# Altium PCB RK_NVR_DEMO1_RK3588_LP4XD200P232SD8_V21_20211228_final_lint.PcbDoc (part 27 of 29)
Units mm, origin at the board's own origin, x right, y up, seen from the top; angles counter-clockwise.
Board outline 170.08 x 169.98 mm, 8 copper layers (TOP, L2-GND1, L3-POWER1, L4-S1, L5-GND2, L6-S2, L7-GND3, BOTTOM), stack 2.118 mm thick; 1650 components, 1119 nets, 6165 pads, 15417 vias.
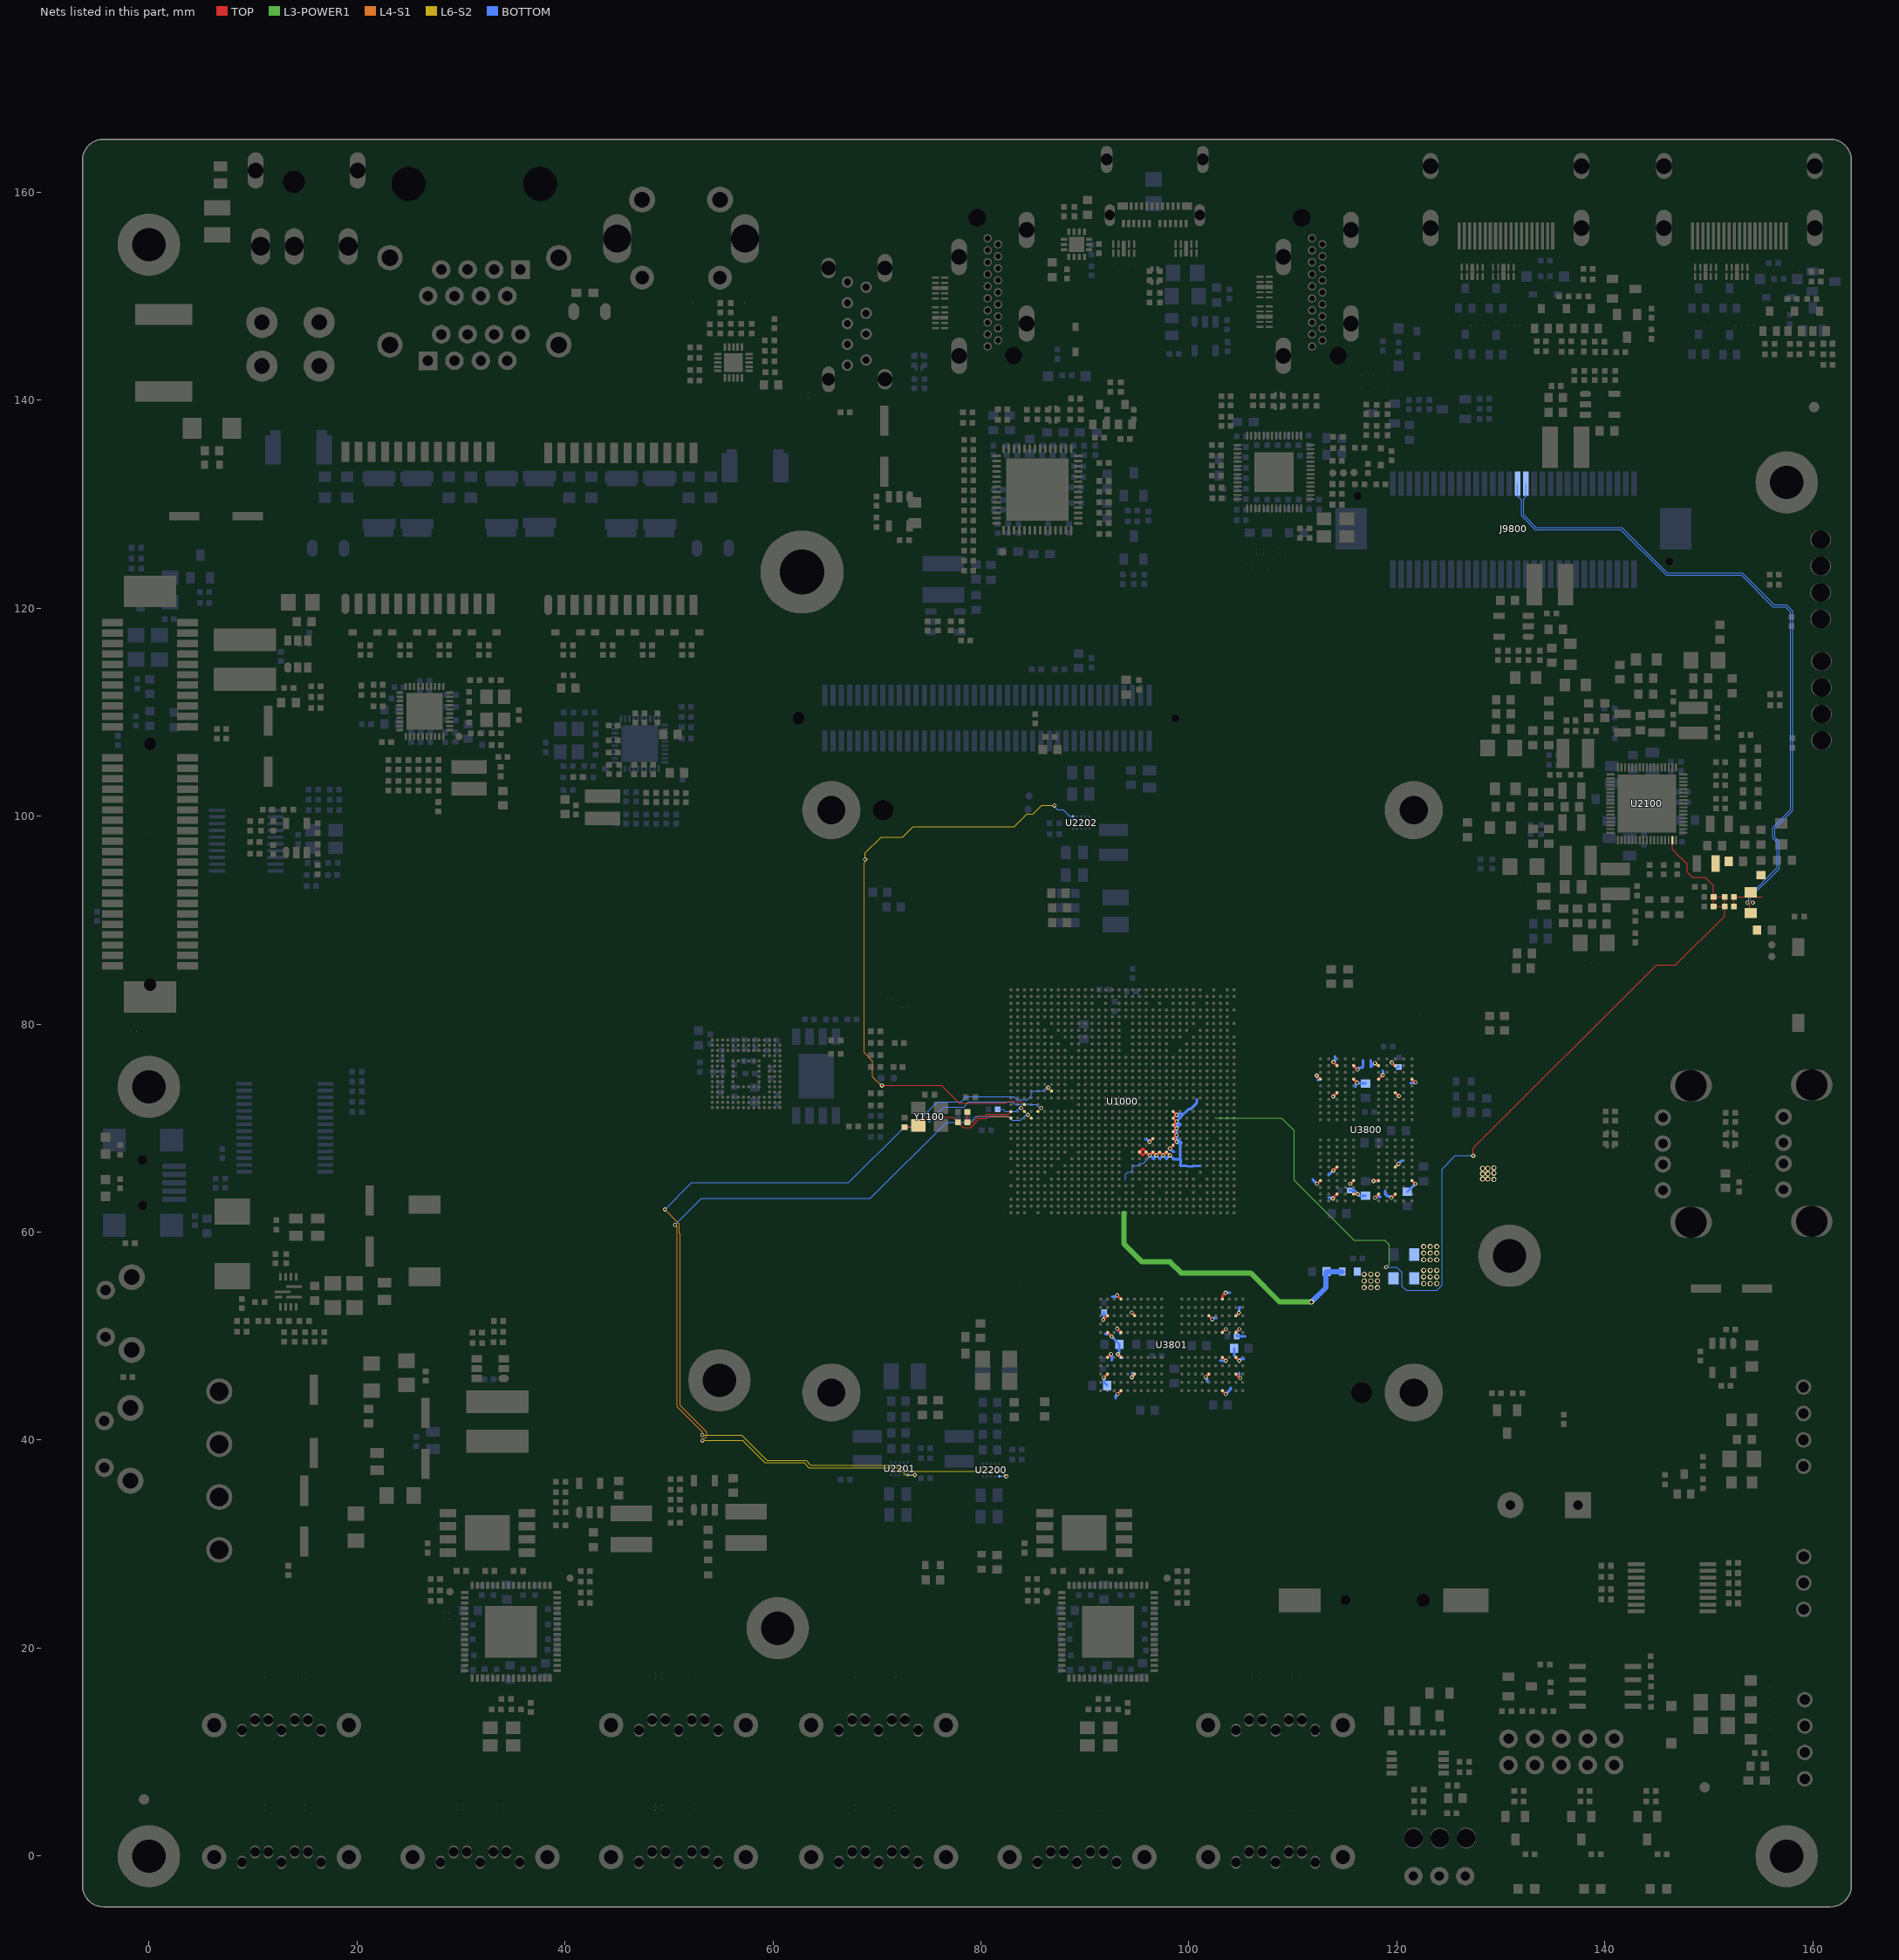
[diagram p33: the nets of this part, all layers, seen from the top]

## Via types
v1: diameter 0.4, hole 0.2, TOP to BOTTOM, 1688 vias
v2: diameter 0.4/0.4 (per signal layer), hole 0.2, TOP to L2-GND1, 1605 vias
v3: diameter 0/0/0/0/0/0/0/0.4 (per signal layer), hole 0.2, TOP to BOTTOM, 1253 vias
v4: diameter 0.4/0/0/0/0/0/0/0 (per signal layer), hole 0.2, TOP to BOTTOM, 1253 vias
v5: diameter 0.5, hole 0.3, TOP to BOTTOM, 857 vias
v6: diameter 0.4/0.4/0.4/0.4/0.4 (per signal layer), hole 0.2, L4-S1 to BOTTOM, 836 vias
v7: diameter 0/0/0/0/0/0/0/0.5 (per signal layer), hole 0.3, TOP to BOTTOM, 772 vias
v8: diameter 0.5/0/0/0/0/0/0/0 (per signal layer), hole 0.3, TOP to BOTTOM, 772 vias
v9: diameter 0.5/0.5 (per signal layer), hole 0.3, TOP to L2-GND1, 766 vias
v10: diameter 0.4/0.4 (per signal layer), hole 0.2, L7-GND3 to BOTTOM, 611 vias
v11: diameter 0.4/0.4/0.4/0.4 (per signal layer), hole 0.2, L5-GND2 to BOTTOM, 579 vias
v12: diameter 0.4 (per signal layer), hole 0.2, L6-S2 to L6-S2, 535 vias
v13: diameter 0.5/0.5/0.5/0.5/0.5 (per signal layer), hole 0.3, L4-S1 to BOTTOM, 457 vias
v14: diameter 0.5/0.5/0.5/0.5 (per signal layer), hole 0.3, L5-GND2 to BOTTOM, 455 vias
v15: diameter 0.4 (per signal layer), hole 0.2, L5-GND2 to L5-GND2, 418 vias
v16: diameter 0.5/0.5/0.5 (per signal layer), hole 0.3, TOP to L3-POWER1, 306 vias
v17: diameter 0.4 (per signal layer), hole 0.2, L4-S1 to L4-S1, 300 vias
v18: diameter 0.4/0.4/0.4 (per signal layer), hole 0.2, TOP to L3-POWER1, 287 vias
v19: diameter 0.5 (per signal layer), hole 0.3, L3-POWER1 to L3-POWER1, 242 vias
v20: diameter 0.5 (per signal layer), hole 0.3, L4-S1 to L4-S1, 240 vias
v21: diameter 0.5/0.5 (per signal layer), hole 0.3, L7-GND3 to BOTTOM, 192 vias
v22: diameter 0.5 (per signal layer), hole 0.3, L6-S2 to L6-S2, 166 vias
v23: diameter 0.4/0.4/0.4/0.4/0.4 (per signal layer), hole 0.2, TOP to L5-GND2, 134 vias
v24: diameter 0.5 (per signal layer), hole 0.3, L5-GND2 to L5-GND2, 114 vias
v25: diameter 0.5/0.5 (per signal layer), hole 0.3, L3-POWER1 to L4-S1, 111 vias
v26: diameter 0.4 (per signal layer), hole 0.2, L3-POWER1 to L3-POWER1, 93 vias
v27: diameter 0.4/0.4 (per signal layer), hole 0.2, L4-S1 to L5-GND2, 59 vias
v28: diameter 0.4/0.4/0/0/0.4/0/0.4/0.4 (per signal layer), hole 0.2, TOP to BOTTOM, 56 vias
v29: diameter 0.4/0/0/0.4/0/0/0/0.4 (per signal layer), hole 0.2, TOP to BOTTOM, 51 vias
v30: diameter 0.5/0.5 (per signal layer), hole 0.3, L4-S1 to L5-GND2, 46 vias
v31: diameter 0.4/0/0/0/0/0.4/0/0.4 (per signal layer), hole 0.2, TOP to BOTTOM, 42 vias
v32: diameter 0.5/0.5/0.5/0.5/0.5 (per signal layer), hole 0.3, TOP to L5-GND2, 32 vias
v33: diameter 0.4/0.4 (per signal layer), hole 0.2, L3-POWER1 to L4-S1, 29 vias
v34: diameter 0.4/0/0.4/0/0/0/0/0.4 (per signal layer), hole 0.2, TOP to BOTTOM, 29 vias
v35: diameter 0.4/0.4/0/0/0.4/0.4/0.4/0.4 (per signal layer), hole 0.2, TOP to BOTTOM, 21 vias
v36: diameter 0.5/0.5/0.5/0/0.5/0.5/0.5/0.5 (per signal layer), hole 0.3, TOP to BOTTOM, 4 vias
v37: diameter 0.5/0.5/0/0.5/0.5/0.5/0.5/0.5 (per signal layer), hole 0.3, TOP to BOTTOM, 3 vias
v38: diameter 0.4/0/0.4/0.4/0/0/0/0.4 (per signal layer), hole 0.2, TOP to BOTTOM, 2 vias
v39: diameter 0.4/0.4/0.4/0/0.4/0/0.4/0.4 (per signal layer), hole 0.2, TOP to BOTTOM, 1 vias

## Nets (pads, with @x,y where several pads share a name; then routed paths per layer and width w, separated by ;. In a path a pad name is that pad's centre, name@x,y a point inside that pad or via, vN(x,y) a via of type N, cw(c..) or ccw(c..) an arc to the next point about the centre after c; other vN are vias at no path point) (continued)
VDDQ_DDR: C1200.1 C1201.1 C1202.1 C1203.1 C1204.1 C1205.1 C1207.1 C1208.1 C1209.1 C1210.1 C1211.1 C1212.1 C2128.1 C2131.2 C2137.1 J2101.1 J9800.29 R1200.1 R1201.2 R1202.1 R1203.2 R1204.2 R2121.1 R2123.2 R2125.1 R3808.2 U1000.K11 U1000.K12 U1000.K13 U1000.K14 U1000.K15 U1000.M10 U1000.N10 U1000.P10 U1000.R10 U1000.T10 U2100.67 | length 189.7
  TOP w0.102: v4(127.347,67.348) 127.347,68.06 144.975,85.687 146.803,85.687 151.509,90.393 R2123.2@151.509,91.301 ; U2100.67@146.488,97.703 146.488,96.789 147.126,96.152 147.151,96.152 147.921,95.382 147.921,94.638 148.439,94.12 149.648,94.12 150.454,93.315 C2137.1@150.454,92.24 ; v4(153.712,91.682) 153.915,91.478 153.915,90.783 R2121.1@154.017,90.682 ; C2137.1@150.454,92.24 C2131.2@151.509,92.24 R2123.2@151.509,91.301 ; C2137.1@150.454,92.24 R2125.1@150.454,91.301 R2123.2@151.509,91.301
  TOP w0.254: U1000.K14@95.891,67.705 v4(96.216,67.381) 96.54,67.705 v4(96.866,67.381) U1000.K12@97.191,67.705 v4(97.516,67.381) U1000.K11@97.841,67.705 v4(98.165,67.381) ; U1000.N10@98.491,69.656 v4(98.815,69.331) U1000.M10@98.491,69.006 v4(98.815,68.681) ; U1000.N10@98.491,69.656 v4(98.815,69.981) U1000.P10@98.491,70.306 v4(98.815,70.631) U1000.R10@98.491,70.956 ; U1000.R10@98.491,70.956 v4(98.815,71.281) U1000.T10@98.491,71.606 ; U1000.K15@95.241,67.705 95.566,68.031 U1000.K14@95.891,67.705 95.565,67.38 U1000.K15@95.241,67.705
  L3-POWER1 w0.089: 102.506,70.955 105.153,70.955
  L3-POWER1 w0.102: 105.153,70.955 108.907,70.955 110.126,69.736 110.126,64.961 115.866,59.22 118.813,59.22 119.27,58.763 119.27,56.934 v4(118.965,56.63)
  BOTTOM w0.089: R1203.2@93.917,64.961 93.917,65.541 94.131,65.756 94.4,65.756 94.591,65.947 94.591,66.215 94.781,66.406 95.061,66.406 95.267,66.612 95.635,66.612 96.216,67.193 v4(96.216,67.381)
  BOTTOM w0.102: v4(118.965,56.63) 119.981,56.63 120.489,56.122 120.489,54.801 120.895,54.394 123.842,54.394 124.35,54.902 124.35,66.078 125.62,67.348 v4(127.347,67.348) ; J9800.29@131.608,131.973 131.608,130.753 131.97,130.391 131.97,128.867 133.291,127.546 141.52,127.546 145.889,123.178 153.103,123.178 156.151,120.13 157.37,120.13 157.878,119.622 157.878,100.622 156.151,98.895 156.151,97.879 156.557,97.473 156.557,95.034 153.814,92.291 153.814,91.783 v4(153.712,91.682)
  BOTTOM w0.203: 99.807,66.36 99.839,66.328 100.423,66.328 100.448,66.353 100.453,66.349 101.079,66.349 101.083,66.353
  BOTTOM w0.254: v4(96.216,67.381) 96.264,67.381 96.635,67.01 96.635,67.15 v4(96.866,67.381) 97.236,67.01 97.244,67.01 97.244,67.109 v4(97.516,67.381) 97.854,67.043 ; 97.854,67.01 97.854,67.043 ; 99.807,66.36 99.223,66.36 99.205,66.377 99.205,67.011 99.169,67.047 ; 100.749,72.733 100.749,72.404 C1200.1@100.236,71.891 100.164,71.819 99.966,71.819 99.507,71.36 ; 97.854,67.043 97.854,67.069 v4(98.165,67.381) 98.489,67.058 98.489,67.01 99.132,67.01 99.169,67.047 ; 98.815,69.056 C1207.1@99.282,68.589 ; 98.815,69.056 v4(98.815,68.681) 98.907,68.589 C1207.1@99.282,68.589 ; 98.815,69.056 v4(98.815,69.331) v4(98.815,69.981) v3@98.815,70.015 ; v3@98.815,70.015 99.182,70.382 99.064,70.382 v4(98.815,70.631) ; v3@98.815,70.015 v4(98.815,70.631) ; v4(98.815,70.631) 99.168,70.984 ; 99.168,70.984 99.113,70.984 v4(98.815,71.281) 98.895,71.36 99.507,71.36 ; 99.168,70.984 99.182,70.984 99.182,71.035 99.507,71.36 ; 99.169,67.047 99.169,67.637 99.182,67.649 99.182,68.489 C1207.1@99.282,68.589
  other v3: 118.965,56.63 127.347,67.348 96.216,67.381 96.866,67.381 97.516,67.381 98.165,67.381 98.815,68.681 98.815,69.331 98.815,69.981 98.815,70.631 98.815,71.281 153.712,91.682
  other v7: 116.857,54.674 117.492,54.674 118.127,54.674 116.857,55.309 117.492,55.309 118.127,55.309 116.857,55.944 117.492,55.944 118.127,55.944 129.328,65.062 128.236,65.109 128.744,65.109 128.236,65.617 128.744,65.617 129.328,65.672 128.236,66.125 128.744,66.125 129.328,66.18
  other v8: 116.857,54.674 117.492,54.674 118.127,54.674 116.857,55.309 117.492,55.309 118.127,55.309 116.857,55.944 117.492,55.944 118.127,55.944 129.328,65.062 128.236,65.109 128.744,65.109 128.236,65.617 128.744,65.617 129.328,65.672 128.236,66.125 128.744,66.125 129.328,66.18
  other v19: 116.857,54.674 117.492,54.674 118.127,54.674 116.857,55.309 117.492,55.309 118.127,55.309 116.857,55.944 117.492,55.944 118.127,55.944
  other v26: 118.965,56.63 96.216,67.381 96.866,67.381 97.516,67.381 98.165,67.381 98.815,68.681 98.815,69.331 98.815,69.981 98.815,70.631 98.815,71.281
VDDQ_DDR_CK: C1206.1 C1213.1 C1232.1 R1204.1 U1000.L10 U1000.M13 | length 30.3
  TOP w0.254: v4(96.215,68.681) U1000.M13@96.541,69.006 ; v4(98.166,68.031) U1000.L10@98.491,68.356
  L3-POWER1 w0.508: 93.768,61.811 93.768,58.865 95.495,57.138 98.188,57.138 99.255,56.071 105.935,56.071 108.729,53.277 v8(111.777,53.277)
  BOTTOM w0.254: C1213.1@95.822,68.926 95.97,68.926 v4(96.215,68.681) ; v4(98.166,68.031) 98.464,67.733 C1206.1@98.594,67.733
  BOTTOM w0.508: v8(111.777,53.277) 113.174,54.674 113.174,56.133 C1232.1@113.239,56.198 R1204.1@114.735,56.198
  other v3: 98.166,68.031 96.215,68.681
  other v7: 111.777,53.277
  other v19: 111.777,53.277
  other v26: 98.166,68.031 96.215,68.681
VDDQ_DDR_P: C2129.1 C2130.1 C2131.1 J2101.2 J9800.27 L2104.1 R2121.2 R2123.1 | length 67.7
  TOP w0.102: R2123.1@152.41,91.301 C2131.1@152.41,92.24 155.112,92.24 ; R2121.2@154.017,92.682 154.017,91.885 v4(154.22,91.682)
  BOTTOM w0.102: J9800.27@132.408,131.973 132.408,130.727 132.173,130.493 132.173,128.951 133.375,127.75 141.622,127.75 145.991,123.381 153.204,123.381 156.252,120.333 157.454,120.333 158.081,119.706 158.081,100.538 156.354,98.811 156.354,97.981 156.76,97.574 156.76,94.933 154.017,92.19 154.017,91.885 v4(154.22,91.682)
  other v3: 154.22,91.682
VDDQ_DRAM: C3824.1 C3825.1 C3826.1 C3827.1 C3828.1 C3829.1 C3830.1 C3831.1 C3832.1 C3833.1 C3834.1 C3835.1 C3836.1 C3837.1 C3838.1 C3839.1 C3840.1 C3841.1 C3842.1 C3869.1 C3870.1 C3871.1 C3872.1 C3873.1 C3874.1 C3875.1 C3876.1 C3877.1 C3878.1 C3879.1 C3880.1 C3881.1 C3882.1 C3883.1 C3884.1 C3885.1 C3886.1 C3887.1 R3808.1 R3809.1 R3810.1 R3811.1 R3818.1 R3819.1 U3800.AA3 U3800.AA5 U3800.AA8 U3800.AA10 U3800.B3 U3800.B5 U3800.B8 U3800.B10 U3800.D1 U3800.D5 U3800.D8 U3800.D12 U3800.F3 U3800.F10 U3800.U3 U3800.U10 U3800.W1 U3800.W5 U3800.W8 U3800.W12 U3801.AA3 U3801.AA5 U3801.AA8 U3801.AA10 U3801.B3 U3801.B5 U3801.B8 U3801.B10 U3801.D1 U3801.D5 U3801.D8 U3801.D12 U3801.F3 U3801.F10 U3801.U3 U3801.U10 U3801.W1 U3801.W5 U3801.W8 U3801.W12 | length 34.4
  TOP w0.254: v4(94.505,46.038) 94.771,46.304 U3801.U10@94.771,46.356 ; v4(113.879,73.045) U3800.F3@114.241,73.407 ; v4(113.896,76.351) U3800.B3@114.241,76.006 ; U3800.AA5@115.841,63.656 v4(116.247,63.656) ; U3800.D5@115.841,74.706 v4(116.166,74.382) ; v4(117.883,63.299) U3800.AA8@118.241,63.656 ; v4(117.903,76.243) 117.928,76.243 118.164,76.006 U3800.B8@118.241,76.006 ; U3800.D8@118.241,74.706 v4(118.632,75.098) ; v4(119.493,63.308) U3800.AA10@119.841,63.656 ; v4(119.516,76.306) 119.516,76.281 119.79,76.006 U3800.B10@119.841,76.006 ; U3800.D12@121.441,74.706 121.748,74.399 v4(121.799,74.399)
  BOTTOM w0.254: v34(91.763,51.573) 91.838,51.648 C3872.1@91.838,52.319 ; v34(91.821,46.005) 91.846,45.98 91.846,45.535 C3870.1@92.131,45.25 ; C3886.1@91.965,50.233 91.99,50.208 92.319,50.208 v34(92.576,49.951) 93.3,49.227 C3871.1@93.3,49.213 93.3,48.389 v34(93.169,48.258) 93.488,47.939 C3885.1@93.616,47.939 ; v34(92.506,48.29) 92.6,48.197 C3877.1@92.6,47.685 ; C3876.1@92.625,53.781 92.625,53.806 93.002,53.806 v34(93.112,53.916) ; C3881.1@92.973,44.028 92.973,44.258 v34(93.146,44.431) ; v34(93.099,50.728) 93.099,50.715 93.366,50.449 C3874.1@93.366,50.229 ; v4(94.505,46.038) 94.577,46.11 94.577,46.445 C3879.1@94.552,46.47 ; v34(101.61,46.045) 101.765,45.889 C3875.1@101.765,45.631 ; v34(102.252,51.625) 102.379,51.753 C3878.1@102.662,51.753 ; C3880.1@103.014,47.693 103.014,47.668 103.05,47.631 v34(103.546,47.631) ; v34(103.522,54.166) 103.543,54.187 103.928,54.187 C3884.1@103.928,54.162 ; v34(103.546,44.431) 104.03,44.915 C3883.1@104.03,45.026 ; C3869.1@104.346,48.832 104.346,48.131 v34(104.846,47.631) 105.031,47.816 R3819.1@105.304,47.816 ; v34(104.813,52.248) 104.813,52.684 104.898,52.769 C3887.1@104.923,52.769 ; C3882.1@104.827,46.438 104.827,46.075 v34(104.922,45.98) ; v34(104.847,50.681) 104.607,50.441 C3873.1@104.607,49.975 R3818.1@105.431,49.975 ; C3840.1@111.9,65.088 111.9,65.047 v34(112.316,64.632) ; v34(112.29,75.057) 112.416,74.932 C3832.1@112.416,74.613 ; C3839.1@113.424,65.469 113.428,65.469 v34(113.885,65.926) ; C3837.1@113.428,63.306 113.762,63.306 v34(113.839,63.229) ; v4(113.896,76.351) 114.063,76.517 C3829.1@114.063,76.903 ; C3828.1@115.449,64.025 115.879,64.025 v4(116.247,63.656) 116.405,63.499 C3826.1@116.984,63.499 ; C3842.1@116.019,73.949 116.019,74.235 v4(116.166,74.382) 116.25,74.297 C3824.1@116.984,74.297 ; v34(116.22,75.627) 116.425,75.832 116.683,75.832 C3838.1@116.73,75.879 R3809.1@116.73,76.522 ; C3841.1@117.492,75.879 117.492,75.904 ; R3810.1@117.492,76.522 117.492,75.904 ; v34(117.746,64.906) 117.768,64.928 C3836.1@118.257,64.928 ; v4(117.883,63.299) 117.988,63.404 C3833.1@118.402,63.404 ; v4(117.903,76.243) 117.852,76.243 117.513,75.904 117.492,75.904 ; C3835.1@118.631,75.502 118.656,75.477 118.656,75.122 v4(118.632,75.098) ; C3831.1@118.889,63.999 118.889,63.615 119.067,63.437 119.364,63.437 v4(119.493,63.308) ; v4(119.516,76.306) 119.516,76.281 119.907,75.89 C3827.1@120.184,75.89 ; v34(120.139,66.555) 120.454,66.87 C3834.1@120.517,66.87 ; C3825.1@121.001,63.886 121.02,63.886 v34(121.766,64.632) ; C3830.1@121.298,74.359 121.758,74.359 v4(121.799,74.399)
  other v3: 94.505,46.038 117.883,63.299 119.493,63.308 116.247,63.656 113.879,73.045 116.166,74.382 121.799,74.399 118.632,75.098 117.903,76.243 119.516,76.306 113.896,76.351
  other v7: 122.572,55.055 123.207,55.055 123.842,55.055 122.572,55.69 123.207,55.69 123.842,55.69 122.572,56.325 123.207,56.325 123.842,56.325 122.572,57.341 123.207,57.341 123.842,57.341 122.572,57.976 123.207,57.976 123.842,57.976 122.572,58.611 123.207,58.611 123.842,58.611
  other v8: 122.572,55.055 123.207,55.055 123.842,55.055 122.572,55.69 123.207,55.69 123.842,55.69 122.572,56.325 123.207,56.325 123.842,56.325 122.572,57.341 123.207,57.341 123.842,57.341 122.572,57.976 123.207,57.976 123.842,57.976 122.572,58.611 123.207,58.611 123.842,58.611
  other v19: 122.572,55.055 123.207,55.055 123.842,55.055 122.572,55.69 123.207,55.69 123.842,55.69 122.572,56.325 123.207,56.325 123.842,56.325 122.572,57.341 123.207,57.341 123.842,57.341 122.572,57.976 123.207,57.976 123.842,57.976 122.572,58.611 123.207,58.611 123.842,58.611
  other v26: 94.505,46.038 117.883,63.299 119.493,63.308 116.247,63.656 113.879,73.045 116.166,74.382 121.799,74.399 118.632,75.098 117.903,76.243 119.516,76.306 113.896,76.351
  other v34: 103.546,50.681 94.486,52.267 115.516,64.632 120.184,73.088
VSEL2: U1000.R31 U2200.A1 | length 92
  TOP w0.102: v4(84.516,71.281) U1000.R31@84.841,70.956
  L4-S1 w0.102: v4(50.588,60.694) 50.791,60.49 50.791,43.218 53.23,40.78 v4(53.23,40.475)
  L6-S2 w0.102: v4(53.23,40.475) 56.989,40.475 59.427,38.037 63.187,38.037 63.618,37.605 72.204,37.605 72.788,37.021 81.932,37.021 v4(82.44,36.513)
  BOTTOM w0.089: 82.09,71.158 82.592,71.158 83.011,70.739 83.783,70.739 84.325,71.281 v4(84.516,71.281)
  BOTTOM w0.102: v4(50.588,60.694) 53.128,63.234 69.384,63.234 76.699,70.549 78.96,70.549 79.57,71.158 82.09,71.158 ; U2200.A1@81.773,36.522 82.43,36.522 v4(82.44,36.513)
  other v3: 82.44,36.513 53.23,40.475 50.588,60.694 84.516,71.281
  other v12: 82.44,36.513 53.23,40.475
  other v17: 53.23,40.475 50.588,60.694
VSEL3: U1000.U32 U2202.A1 | length 60.1
  TOP w0.089: 82.09,72.399 82.41,72.399 82.592,72.581 83.865,72.581 U1000.U32@84.191,72.256
  TOP w0.102: v4(70.482,74.105) 76.217,74.105 77.923,72.399 82.09,72.399
  L4-S1 w0.102: v4(68.876,95.847) 68.876,95.593 68.775,95.492 68.775,77.254 69.587,76.442 69.587,74.918 70.4,74.105 v4(70.482,74.105)
  L6-S2 w0.102: v4(68.876,95.847) 68.876,96.457 70.4,97.981 72.483,97.981 73.499,98.997 83.202,98.997 84.421,100.216 85.031,100.216 85.843,101.029 v4(87.063,101.029)
  BOTTOM w0.102: v4(87.063,101.029) 87.063,100.927 87.367,100.622 87.901,100.622 88.545,99.978 U2202.A1@88.847,99.978
  other v3: 70.482,74.105 68.876,95.847 87.063,101.029
  other v12: 68.876,95.847 87.063,101.029
  other v17: 70.482,74.105 68.876,95.847
VSEL4: R1109.1 U1000.T32 | length 2.9
  TOP w0.102: v4(83.864,71.932) U1000.T32@84.191,71.606
  BOTTOM w0.089: 82.09,71.819 82.1,71.819 82.313,71.606 83.35,71.606 83.436,71.692 83.456,71.692 83.696,71.932 v4(83.864,71.932)
  BOTTOM w0.102: R1109.1@81.62,71.819 82.09,71.819
  other v3: 83.864,71.932
VSEL5: R1113.1 U1000.T30 | length 12.3
  TOP w0.102: U1000.T30@85.491,71.606 v4(85.817,71.932)
  BOTTOM w0.089: 82.09,72.505 83.024,72.505 83.202,72.327 84.581,72.327 84.651,72.256 85.299,72.256 85.623,71.932 v4(85.817,71.932)
  BOTTOM w0.102: R1113.1@75.011,70.613 76.42,72.022 78.325,72.022 78.808,72.505 82.09,72.505
  other v3: 85.817,71.932
VSEL6: U1000.W28 U2201.A1 | length 89.1
  TOP w0.102: v4(86.466,73.881) U1000.W28@86.791,73.556
  L4-S1 w0.102: v4(49.61,62.179) 50.995,60.795 50.995,59.881 51.096,59.779 51.096,43.32 53.636,40.78 53.636,40.374 v4(53.23,39.967)
  L6-S2 w0.102: v4(53.23,39.967) 57.091,39.967 59.224,37.834 62.983,37.834 63.466,37.351 72.077,37.351 72.788,36.64 v4(73.651,36.64)
  BOTTOM w0.089: 82.09,73.013 83.159,73.013 83.456,72.716 84.46,72.716 84.84,73.096 84.84,73.203 ; 84.841,73.204 84.841,73.365 85.031,73.555 85.954,73.555 86.28,73.881 v4(86.466,73.881)
  BOTTOM w0.102: v4(49.61,62.179) 52.188,64.758 67.285,64.758 72.67,70.142 73.448,70.142 75.836,72.53 78.071,72.53 78.554,73.013 82.09,73.013 ; U2201.A1@72.984,36.649 73.642,36.649 v4(73.651,36.64)
  other v3: 73.651,36.64 53.23,39.967 49.61,62.179 86.466,73.881
  other v12: 73.651,36.64 53.23,39.967
  other v17: 53.23,39.967 49.61,62.179
XIN24M: C1102.1 R1101.2 U1000.R34 Y1100.3 | length 11.6
  TOP w0.089: 82.09,71.155 82.692,71.155 U1000.R34@82.891,70.956
  TOP w0.102: C1102.1@72.661,70.099 73.815,70.099 Y1100.3@73.974,70.258 74.773,71.057 77.291,71.057 R1101.2@77.799,70.549 78.307,70.041 79.011,70.041 79.9,70.93 80.564,70.93 80.789,71.155 82.09,71.155
XOUT24M: R1100.2 R1101.1 U1000.T34 | length 5.6
  TOP w0.089: 82.09,71.358 82.643,71.358 U1000.T34@82.891,71.606
  TOP w0.102: R1100.2@78.699,71.565 R1101.1@78.699,70.549 79.214,70.549 79.849,71.184 80.408,71.184 80.582,71.358 82.09,71.358
pads on no net: J2000. J2201. J5000.14 J5001.14 J5100. J5100.13 J5100.14 J5500. J5500.14 J6700. J7000. J8400. J8400.A5 J8400.A6 J8400.A7 J8400.A8 J8400.A19 J8400.A32 J8400.B5 J8400.B6 J8400.B9 J8400.B30 J9001.1 J9001.2 J9001.3 J9001.4 J9100. J9100.4 J9800. J9800.56 J9800.58 J9800.60 J9901. M9900.1 M9901.1 M9902.1 M9903.1 M9904.1 M9905.1 U1000.AA27 U1000.AB30 U1000.AB31 U1000.AC30 U1000.AD4 U1000.AE4 U1000.AE5 U1000.AE8 U1000.AE30 U1000.AF3 U1000.AF5 U1000.AF6 U1000.AF18 U1000.AF19 U1000.AF20 U1000.AF33 U1000.AG1 U1000.AG2 U1000.AG4 U1000.AG5 U1000.AG20 U1000.AG23 U1000.AG24 U1000.AG25 U1000.AH5 U1000.AH6 U1000.AH20 U1000.AH24 U1000.AJ4 U1000.AJ5 U1000.AJ20 U1000.AK8 U1000.AK16 U1000.AK17 U1000.AK18 U1000.AK19 U1000.AK20 U1000.AK21 U1000.AK22 U1000.AL8 U1000.AL14 U1000.AL17 U1000.AL18 U1000.AL19 U1000.AL20 U1000.AL21 U1000.AL22 U1000.AM17 U1000.AN2 U1000.AN17 U1000.AN24 U1000.AN25 U1000.AN26 U1000.AN27 U1000.AN28 U1000.AN29 U1000.AN30 U1000.AN32 U1000.AN33 U1000.AN34 U1000.AP2 U1000.AP24 U1000.AP25 U1000.AP26 U1000.AP27 U1000.AP28 U1000.AP29 U1000.AP30 U1000.AP31 U1000.AP32 U1000.AP33 U1000.C19 U1000.D7 U1000.D10 U1000.D14 U1000.D17 U1000.E7 U1000.E10 U1000.E17 U1000.F26 U1000.F27 U1000.F28 U1000.G9 U1000.G18 U1000.G26 U1000.G30 U1000.G31 U1000.H4 U1000.H5 U1000.H9 U1000.H18 U1000.H32 U1000.H33 U1000.K4 U1000.K5 U1000.K7 U1000.L30 U1000.L32 U1000.L33 U1000.M7 U1000.P31 U1000.P33 U1000.T5 U1000.V6 U1000.V7 U1000.W4 U1000.W5 U2000.4 U2100.2 U2100.3 U2100.4 U2100.38 U2100.47 U2100.48 U2203.7 U3800.A1 U3800.A2 U3800.A11 U3800.A12 U3800.AA1 U3800.AA12 U3800.AB1 U3800.AB2 U3800.AB11 U3800.AB12 U3800.B1 U3800.B12 U3800.G11 U3800.K5 U3800.K8 U3800.N5 U3800.N8 U3801.A1 U3801.A2 U3801.A11 U3801.A12 U3801.AA1 U3801.AA12 U3801.AB1 U3801.AB2 U3801.AB11 U3801.AB12 U3801.B1 U3801.B12 U3801.G11 U3801.K5 U3801.K8 U3801.N5 U3801.N8 U4000.A2 U4000.A7 U4000.A8 U4000.A9 U4000.A10 U4000.A11 U4000.A12 U4000.A13 U4000.A14 U4000.B1 U4000.B7 U4000.B8 U4000.B9 U4000.B10 U4000.B11 U4000.B12 U4000.B13 U4000.B14 U4000.C1 U4000.C3 U4000.C7 U4000.C8 U4000.C9 U4000.C10 U4000.C11 U4000.C12 U4000.C13 U4000.C14 U4000.D1 U4000.D2 U4000.D3 U4000.D4 U4000.D12 U4000.D13 U4000.D14 U4000.E1 U4000.E2 U4000.E3 U4000.E5 U4000.E8 U4000.E9 U4000.E10 U4000.E12 U4000.E13 U4000.E14 U4000.F1 U4000.F2 U4000.F3 U4000.F10 U4000.F12 U4000.F13 U4000.F14 U4000.G1 U4000.G2 U4000.G3 U4000.G10 U4000.G12 U4000.G13 U4000.G14 U4000.H1 U4000.H2 U4000.H3 U4000.H12 U4000.H13 U4000.H14 U4000.J1 U4000.J2 U4000.J3 U4000.J12 U4000.J13 U4000.J14 U4000.K1 U4000.K2 U4000.K3 U4000.K6 U4000.K7 U4000.K10 U4000.K12 U4000.K13 U4000.K14 U4000.L1 U4000.L2 U4000.L3 U4000.L12 U4000.L13 U4000.L14 U4000.M1 U4000.M2 U4000.M3 U4000.M7 U4000.M8 U4000.M9 U4000.M10 U4000.M11 U4000.M12 U4000.M13 U4000.M14 U4000.N1 U4000.N3 U4000.N6 U4000.N7 U4000.N8 U4000.N9 U4000.N10 U4000.N11 U4000.N12 U4000.N13 U4000.N14 U4000.P1 U4000.P2 U4000.P7 U4000.P8 U4000.P9 U4000.P10 U4000.P11 U4000.P12 U4000.P13 U4000.P14 U4700. U4700.41 U4700.42 U4700.53 U4700.54 U4700.60 U4700.63 U4700.64 U4700.67 U4700.68 U4700.69 U4700.70 U4700.71 U4700.72 U4700.73 U4700.74 U5100.1 U5100.16 U7000.13 U8200.1 U8200.2 U8200.3 U8200.7 U8200.8 U8200.9 U8200.64 U8300.1 U8300.2 U8300.3 U8300.7 U8300.8 U8300.9 U8300.64 U8400.17 U8400.18 U9100.2 U9100.3 U9100.6 U9100.8 U9100.9 U9100.10 U9100.11 U9100.12 U9100.13 U9100.14 U9100.19 U9100.22 U9100.23 U9100.24 U9100.27 U9100.28 U9501.7 U9501.8 U9501.9 U9501.10 U9900.3

## Text inside footprints (layer, text, board x,y; h text height)
C2155: PIN_NUMBER "2" at 144.2,94.406 h0.25 r270; PIN_NUMBER "1" at 144.2,95.307 h0.25 r270; ASSEMBLY_TOP "1uF" at 144.124,94.857 h0.25 r90
C2156: PIN_NUMBER "2" at 143.654,98.177 h0.25 r90; PIN_NUMBER "1" at 143.654,97.277 h0.25 r90; ASSEMBLY_TOP "1uF" at 143.578,97.727 h0.25 r270
C2157: PIN_NUMBER "2" at 143.006,93.275 h0.25 r90; PIN_NUMBER "1" at 143.006,92.374 h0.25 r90; ASSEMBLY_TOP "1uF" at 142.929,92.825 h0.25 r90
C2158: PIN_NUMBER "2" at 147.235,104.338 h0.25 r270; PIN_NUMBER "1" at 147.235,105.238 h0.25 r270; ASSEMBLY_TOP "1uF" at 147.159,104.788 h0.25 r270
C2159: PIN_NUMBER "2" at 144.162,94.381 h0.25 r270; PIN_NUMBER "1" at 144.162,95.281 h0.25 r270; ASSEMBLY_TOP "1uF" at 144.086,94.831 h0.25 r270
C2160: PIN_NUMBER "2" at 145.534,94.406 h0.25 r270; PIN_NUMBER "1" at 145.534,95.307 h0.25 r270; ASSEMBLY_TOP "1uF" at 145.458,94.857 h0.25 r90
C2161: PIN_NUMBER "2" at 147.311,98.431 h0.25 r90; PIN_NUMBER "1" at 147.311,97.531 h0.25 r90; ASSEMBLY_TOP "1uF" at 147.235,97.981 h0.25 r270
C2162: PIN_NUMBER "2" at 146.27,104.312 h0.25 r270; PIN_NUMBER "1" at 146.27,105.213 h0.25 r270; ASSEMBLY_TOP "1uF" at 146.194,104.763 h0.25 r270
C2163: PIN_NUMBER "2" at 146.842,94.406 h0.25 r270; PIN_NUMBER "1" at 146.842,95.307 h0.25 r270; ASSEMBLY_TOP "1uF" at 146.766,94.857 h0.25 r90
C2164: PIN_NUMBER "2" at 151.483,105.194 h0.25; PIN_NUMBER "1" at 150.582,105.194 h0.25; ASSEMBLY_TOP "2.2uF" at 150.626,105.067 h0.25
C2165: PIN_NUMBER "2" at 138.149,108.192 h0.25 r180; PIN_NUMBER "1" at 139.049,108.192 h0.25 r180; ASSEMBLY_TOP "1nF" at 138.396,108.065 h0.25
C2166: PIN_NUMBER "2" at 136.625,103.977 h0.25 r180; PIN_NUMBER "1" at 137.525,103.977 h0.25 r180; ASSEMBLY_TOP "10nF" at 136.77,103.85 h0.25
C2167: PIN_NUMBER "2" at 147.014,102.35 h0.25 r180; PIN_NUMBER "1" at 147.914,102.35 h0.25 r180; ASSEMBLY_TOP "1uF" at 147.261,102.223 h0.25 r180
C2168: PIN_NUMBER "2" at 151.483,103.874 h0.25; PIN_NUMBER "1" at 150.582,103.874 h0.25; ASSEMBLY_TOP "2.2uF" at 150.626,103.747 h0.25
C2169: PIN_NUMBER "2" at 151.483,102.959 h0.25; PIN_NUMBER "1" at 150.582,102.959 h0.25; ASSEMBLY_TOP "2.2uF" at 150.626,102.832 h0.25
C2170: PIN_NUMBER "2" at 151.483,101.664 h0.25; PIN_NUMBER "1" at 150.582,101.664 h0.25; ASSEMBLY_TOP "2.2uF" at 150.626,101.537 h0.25
C2171: PIN_NUMBER "2" at 147.014,101.334 h0.25 r180; PIN_NUMBER "1" at 147.914,101.334 h0.25 r180; ASSEMBLY_TOP "1uF" at 147.261,101.207 h0.25 r180
C2172: PIN_NUMBER "2" at 151.483,100.749 h0.25; PIN_NUMBER "1" at 150.582,100.749 h0.25; ASSEMBLY_TOP "2.2uF" at 150.626,100.622 h0.25
C2173: PIN_NUMBER "2" at 150.969,118.391 h0.25 r90; PIN_NUMBER "1" at 150.969,116.991 h0.25 r90; ASSEMBLY_TOP "22uF" at 150.791,117.691 h0.25 r90
C2200: PIN_NUMBER "2" at 81.518,34.693 h0.25; PIN_NUMBER "1" at 79.868,34.693 h0.25; ASSEMBLY_TOP "22uF" at 80.388,34.566 h0.25 r180
C2201: PIN_NUMBER "2" at 81.526,32.659 h0.25; PIN_NUMBER "1" at 79.876,32.659 h0.25; ASSEMBLY_TOP "22uF" at 80.396,32.532 h0.25 r180
C2202: PIN_NUMBER "2" at 72.73,34.82 h0.25; PIN_NUMBER "1" at 71.08,34.82 h0.25; ASSEMBLY_TOP "22uF" at 71.6,34.693 h0.25 r180
C2203: PIN_NUMBER "2" at 72.737,32.786 h0.25; PIN_NUMBER "1" at 71.087,32.786 h0.25; ASSEMBLY_TOP "22uF" at 71.607,32.659 h0.25 r180
C2204: PIN_NUMBER "2" at 82.919,38.128 h0.25 r180; PIN_NUMBER "1" at 83.819,38.128 h0.25 r180; ASSEMBLY_TOP "1uF" at 83.165,38 h0.25 r180
C2205: PIN_NUMBER "2" at 81.469,39.049 h0.25; PIN_NUMBER "1" at 80.069,39.049 h0.25; ASSEMBLY_TOP "22uF" at 80.465,38.922 h0.25 r180
C2206: PIN_NUMBER "2" at 81.469,42.097 h0.25; PIN_NUMBER "1" at 80.069,42.097 h0.25; ASSEMBLY_TOP "22uF" at 80.465,41.97 h0.25 r180
C2207: PIN_NUMBER "2" at 81.469,43.621 h0.25; PIN_NUMBER "1" at 80.069,43.621 h0.25; ASSEMBLY_TOP "22uF" at 80.465,43.494 h0.25 r180
C2208: PIN_NUMBER "2" at 81.469,40.573 h0.25; PIN_NUMBER "1" at 80.069,40.573 h0.25; ASSEMBLY_TOP "22uF" at 80.465,40.446 h0.25 r180
C2209: PIN_NUMBER "2" at 83.078,42.268 h0.25 r270; PIN_NUMBER "1" at 83.078,43.668 h0.25 r270; ASSEMBLY_TOP "22uF" at 82.901,42.968 h0.25 r270
C2210: PIN_NUMBER "2" at 74.13,38.255 h0.25 r180; PIN_NUMBER "1" at 75.03,38.255 h0.25 r180; ASSEMBLY_TOP "1uF" at 74.377,38.127 h0.25 r180
C2211: PIN_NUMBER "2" at 72.681,39.176 h0.25; PIN_NUMBER "1" at 71.281,39.176 h0.25; ASSEMBLY_TOP "22uF" at 71.676,39.049 h0.25 r180
C2212: PIN_NUMBER "2" at 72.681,42.224 h0.25; PIN_NUMBER "1" at 71.281,42.224 h0.25; ASSEMBLY_TOP "22uF" at 71.676,42.097 h0.25 r180
C2213: PIN_NUMBER "2" at 72.681,43.748 h0.25; PIN_NUMBER "1" at 71.281,43.748 h0.25; ASSEMBLY_TOP "22uF" at 71.676,43.621 h0.25 r180
C2214: PIN_NUMBER "2" at 72.681,40.7 h0.25; PIN_NUMBER "1" at 71.281,40.7 h0.25; ASSEMBLY_TOP "22uF" at 71.676,40.573 h0.25 r180
C2215: PIN_NUMBER "2" at 74.29,42.395 h0.25 r270; PIN_NUMBER "1" at 74.29,43.795 h0.25 r270; ASSEMBLY_TOP "22uF" at 74.112,43.095 h0.25 r270
C2218: PIN_NUMBER "2" at 88.676,104.178 h0.25 r180; PIN_NUMBER "1" at 90.326,104.178 h0.25 r180; ASSEMBLY_TOP "22uF" at 89.196,104.051 h0.25 r180
C2219: PIN_NUMBER "2" at 88.676,102.146 h0.25 r180; PIN_NUMBER "1" at 90.326,102.146 h0.25 r180; ASSEMBLY_TOP "22uF" at 89.196,102.019 h0.25 r180
C2220: PIN_NUMBER "2" at 86.511,99.302 h0.25 r180; PIN_NUMBER "1" at 87.411,99.302 h0.25 r180; ASSEMBLY_TOP "1uF" at 86.758,99.175 h0.25 r180
C2221: PIN_NUMBER "2" at 88.066,94.349 h0.25 r180; PIN_NUMBER "1" at 89.716,94.349 h0.25 r180; ASSEMBLY_TOP "47uF" at 88.587,94.222 h0.25 r180
C2222: PIN_NUMBER "2" at 88.066,96.508 h0.25 r180; PIN_NUMBER "1" at 89.716,96.508 h0.25 r180; ASSEMBLY_TOP "47uF" at 88.587,96.381 h0.25 r180
C2223: PIN_NUMBER "2" at 87.582,92.571 h0.25 r180; PIN_NUMBER "1" at 88.982,92.571 h0.25 r180; ASSEMBLY_TOP "22uF" at 87.977,92.444 h0.25 r180
C2224: PIN_NUMBER "2" at 87.582,91.174 h0.25 r180; PIN_NUMBER "1" at 88.982,91.174 h0.25 r180; ASSEMBLY_TOP "22uF" at 87.977,91.047 h0.25 r180
C2225: PIN_NUMBER "2" at 87.582,89.751 h0.25 r180; PIN_NUMBER "1" at 88.982,89.751 h0.25 r180; ASSEMBLY_TOP "22uF" at 87.977,89.624 h0.25 r180
C2227: PIN_NUMBER "2" at 119.358,11.87 h0.25 r180; PIN_NUMBER "1" at 120.258,11.87 h0.25 r180; ASSEMBLY_TOP "12pF" at 119.503,11.743 h0.25
C2228: PIN_NUMBER "2" at 123.387,11.87 h0.25 r180; PIN_NUMBER "1" at 124.287,11.87 h0.25 r180; ASSEMBLY_TOP "100nF" at 123.431,11.743 h0.25
C2229: PIN_NUMBER "2" at 122.274,11.87 h0.25; PIN_NUMBER "1" at 121.374,11.87 h0.25; ASSEMBLY_TOP "DNP" at 121.621,11.743 h0.25
C2230: PIN_NUMBER "2" at 79.849,51.234 h0.25 r90; PIN_NUMBER "1" at 79.849,49.834 h0.25 r90; ASSEMBLY_TOP "22uF" at 79.671,50.534 h0.25 r90
C2501: PIN_NUMBER "1" at 98.391,152.341 h0.64; PIN_NUMBER "2" at 98.391,152.841 h0.64 r180; ASSEMBLY_TOP "100nF" at 98.264,152.591 h0.25 r90
C2502: PIN_NUMBER "1" at 99.026,152.342 h0.64; PIN_NUMBER "2" at 99.026,152.842 h0.64 r180; ASSEMBLY_TOP "100nF" at 98.899,152.592 h0.25 r90
C2503: PIN_NUMBER "2" at 98.017,144.437 h0.25 r180; PIN_NUMBER "1" at 98.917,144.437 h0.25 r180; ASSEMBLY_TOP "1uF" at 98.264,144.31 h0.25 r180
C2504: PIN_NUMBER "2" at 98.615,151.981 h0.25 r180; PIN_NUMBER "1" at 101.155,151.981 h0.25 r180; ASSEMBLY_TOP "22uF" at 99.224,152.108 h0.25 r180
C2505: PIN_NUMBER "2" at 102.557,149.402 h0.25 r270; PIN_NUMBER "1" at 102.557,150.802 h0.25 r270; ASSEMBLY_TOP "100nF" at 102.277,150.102 h0.25 r270
C2506: PIN_NUMBER "2" at 72.084,126.53 h0.25 r180; PIN_NUMBER "1" at 72.984,126.53 h0.25 r180; ASSEMBLY_TOP "1uF" at 72.331,126.403 h0.25
C2507: PIN_NUMBER "2" at 71.772,133.123 h0.25 r180; PIN_NUMBER "1" at 71.772,138.023 h0.25 r180; Top Overlay "120uF" at 69.308,135.065 h0.25 r180; ASSEMBLY_TOP "120uF" at 70.197,135.446 h0.25
C2508: PIN_NUMBER "2" at 66.394,138.824 h0.25 r180; PIN_NUMBER "1" at 67.294,138.824 h0.25 r180; ASSEMBLY_TOP "100nF" at 66.438,138.697 h0.25
C2509: PIN_NUMBER "2" at 62.501,140.694 h0.64 r180; PIN_NUMBER "1" at 62.501,140.194 h0.64; ASSEMBLY_TOP "100nF" at 62.374,140.444 h0.25 r90
C2510: PIN_NUMBER "2" at 63.136,140.694 h0.64 r180; PIN_NUMBER "1" at 63.136,140.194 h0.64; ASSEMBLY_TOP "100nF" at 63.009,140.444 h0.25 r90
C2511: PIN_NUMBER "2" at 151.078,45.225 h0.25 r180; PIN_NUMBER "1" at 151.978,45.225 h0.25 r180; ASSEMBLY_TOP "1uF" at 151.325,45.098 h0.25
C2512: PIN_NUMBER "2" at 149.509,53.302 h0.25 r90; PIN_NUMBER "1" at 154.41,53.302 h0.25 r90; Top Overlay "120uF" at 151.655,55.969 h0.25 r90; ASSEMBLY_TOP "120uF" at 151.655,54.445 h0.25
C2513: PIN_NUMBER "2" at 152.798,64.801 h0.25 r90; PIN_NUMBER "1" at 152.798,63.901 h0.25 r90; ASSEMBLY_TOP "100nF" at 152.518,64.351 h0.25 r90
C2515: PIN_NUMBER "2" at 151.477,65.661 h0.25 r90; PIN_NUMBER "1" at 151.477,64.261 h0.25 r90; ASSEMBLY_TOP "10uF" at 151.299,64.961 h0.25 r90
C2516: PIN_NUMBER "2" at 86.758,151.84 h0.25 r270; PIN_NUMBER "1" at 86.758,153.24 h0.25 r270; ASSEMBLY_TOP "100nF" at 86.478,152.54 h0.25 r90
C2517: PIN_NUMBER "2" at 90.161,159.234 h0.25 r90; PIN_NUMBER "1" at 90.161,157.834 h0.25 r90; ASSEMBLY_TOP "10uF" at 89.984,158.534 h0.25 r90
C2518: PIN_NUMBER "2" at 88.891,158.578 h0.25 r90; PIN_NUMBER "1" at 88.891,157.678 h0.25 r90; ASSEMBLY_TOP "100nF" at 88.612,158.128 h0.25 r90
C2519: PIN_NUMBER "2" at 88.18,151.683 h0.25 r270; PIN_NUMBER "1" at 88.18,152.584 h0.25 r270; ASSEMBLY_TOP "1uF" at 88.104,152.134 h0.25 r90
C2520: PIN_NUMBER "2" at 87.875,158.578 h0.25 r90; PIN_NUMBER "1" at 87.875,157.678 h0.25 r90; ASSEMBLY_TOP "220pF" at 87.596,158.128 h0.25 r90
C2521: PIN_NUMBER "2" at 91.228,154.122 h0.25 r270; PIN_NUMBER "1" at 91.228,155.022 h0.25 r270; ASSEMBLY_TOP "220pF" at 90.949,154.572 h0.25 r90
C2522: PIN_NUMBER "2" at 92.295,147.507 h0.64 r180; PIN_NUMBER "1" at 92.295,147.007 h0.64; ASSEMBLY_TOP "100nF" at 92.168,147.257 h0.25 r90
C2523: PIN_NUMBER "2" at 91.584,147.507 h0.64 r180; PIN_NUMBER "1" at 91.584,147.007 h0.64; ASSEMBLY_TOP "100nF" at 91.457,147.257 h0.25 r90
C2524: PIN_NUMBER "1" at 92.397,152.442 h0.64; PIN_NUMBER "2" at 92.397,152.943 h0.64 r180; ASSEMBLY_TOP "100nF" at 92.27,152.692 h0.25 r90
C2525: PIN_NUMBER "2" at 93.032,152.944 h0.64 r180; PIN_NUMBER "1" at 93.032,152.443 h0.64; ASSEMBLY_TOP "100nF" at 92.905,152.693 h0.25 r90
C2526: PIN_NUMBER "2" at 98.239,146.229 h0.25 r270; PIN_NUMBER "1" at 98.239,147.879 h0.25 r270; ASSEMBLY_TOP "10uF" at 98.061,147.054 h0.25 r270
C2528: PIN_NUMBER "2" at 96.359,161.074 h0.25 r90; PIN_NUMBER "1" at 96.359,158.534 h0.25 r90; ASSEMBLY_TOP "22uF" at 96.334,160.058 h0.25 r270
C3800: PIN_NUMBER "2" at 122.47,64.896 h0.25 r270; PIN_NUMBER "1" at 122.47,66.296 h0.25 r270; ASSEMBLY_TOP "10uF" at 122.292,65.596 h0.25 r270
C3801: PIN_NUMBER "2" at 127.014,71.536 h0.25; PIN_NUMBER "1" at 125.614,71.536 h0.25; ASSEMBLY_TOP "10uF" at 126.01,71.409 h0.25 r180
C3802: PIN_NUMBER "2" at 121.937,73.72 h0.64; PIN_NUMBER "1" at 121.937,73.22 h0.64 r180; ASSEMBLY_TOP "100nF" at 121.81,73.47 h0.25 r270
C3803: PIN_NUMBER "2" at 115.989,66.917 h0.64 r270; PIN_NUMBER "1" at 115.489,66.917 h0.64 r90; ASSEMBLY_TOP "100nF" at 115.485,66.79 h0.25 r180
C3804: PIN_NUMBER "2" at 115.583,72.657 h0.64 r270; PIN_NUMBER "1" at 115.083,72.657 h0.64 r90; ASSEMBLY_TOP "100nF" at 115.079,72.53 h0.25 r180
C3805: PIN_NUMBER "2" at 118.283,72.796 h0.64 r90; PIN_NUMBER "1" at 118.783,72.796 h0.64 r270; ASSEMBLY_TOP "100nF" at 118.279,72.669 h0.25 r180
C3806: PIN_NUMBER "2" at 111.146,65.977 h0.64 r90; PIN_NUMBER "1" at 111.646,65.977 h0.64 r270; ASSEMBLY_TOP "100nF" at 111.142,65.849 h0.25 r180
C3807: PIN_NUMBER "2" at 118.152,66.634 h0.64 r90; PIN_NUMBER "1" at 118.653,66.634 h0.64 r270; ASSEMBLY_TOP "100nF" at 118.148,66.507 h0.25 r180
C3808: PIN_NUMBER "2" at 111.019,73.724 h0.64 r90; PIN_NUMBER "1" at 111.519,73.724 h0.64 r270; ASSEMBLY_TOP "100nF" at 111.015,73.597 h0.25 r180
C3809: PIN_NUMBER "2" at 118.166,68.593 h0.25; PIN_NUMBER "1" at 116.766,68.593 h0.25; ASSEMBLY_TOP "22uF" at 117.162,68.466 h0.25 r180
C3810: PIN_NUMBER "2" at 113.642,61.786 h0.25 r180; PIN_NUMBER "1" at 115.042,61.786 h0.25 r180; ASSEMBLY_TOP "10uF" at 114.037,61.659 h0.25 r180
C3811: PIN_NUMBER "2" at 119.357,69.761 h0.25 r180; PIN_NUMBER "1" at 120.757,69.761 h0.25 r180; ASSEMBLY_TOP "10uF" at 119.752,69.634 h0.25 r180
C3812: PIN_NUMBER "2" at 117.713,71.565 h0.25; PIN_NUMBER "1" at 116.813,71.565 h0.25; ASSEMBLY_TOP "1uF" at 117.06,71.438 h0.25 r180
C3813: PIN_NUMBER "2" at 118.616,77.864 h0.25 r180; PIN_NUMBER "1" at 119.517,77.864 h0.25 r180; ASSEMBLY_TOP "1uF" at 118.863,77.737 h0.25 r180
C3814: PIN_NUMBER "2" at 112.225,68.072 h0.64 r90; PIN_NUMBER "1" at 112.725,68.072 h0.64 r270; ASSEMBLY_TOP "100nF" at 112.221,67.945 h0.25 r180
C3815: PIN_NUMBER "2" at 121.937,72.077 h0.64 r180; PIN_NUMBER "1" at 121.937,72.577 h0.64; ASSEMBLY_TOP "100nF" at 121.81,72.327 h0.25 r270
C3816: PIN_NUMBER "2" at 116.73,66.862 h0.64; PIN_NUMBER "1" at 116.73,66.362 h0.64 r180; ASSEMBLY_TOP "100nF" at 116.603,66.612 h0.25 r270
C3817: PIN_NUMBER "2" at 114.186,70.701 h0.64 r270; PIN_NUMBER "1" at 113.686,70.701 h0.64 r90; ASSEMBLY_TOP "100nF" at 113.682,70.574 h0.25 r180
C3818: PIN_NUMBER "2" at 121.962,71.434 h0.64; PIN_NUMBER "1" at 121.962,70.934 h0.64 r180; ASSEMBLY_TOP "100nF" at 121.835,71.184 h0.25 r270
C3819: PIN_NUMBER "2" at 117.974,73.999 h0.64; PIN_NUMBER "1" at 117.974,73.499 h0.64 r180; ASSEMBLY_TOP "100nF" at 117.847,73.749 h0.25 r270
C3820: PIN_NUMBER "2" at 119.266,62.802 h0.64 r270; PIN_NUMBER "1" at 118.766,62.802 h0.64 r90; ASSEMBLY_TOP "100nF" at 118.762,62.675 h0.25 r180
C3821: PIN_NUMBER "2" at 114.952,76.768 h0.64; PIN_NUMBER "1" at 114.952,76.268 h0.64 r180; ASSEMBLY_TOP "100nF" at 114.825,76.518 h0.25 r270
C3822: PIN_NUMBER "2" at 112.789,70.701 h0.64 r270; PIN_NUMBER "1" at 112.289,70.701 h0.64 r90; ASSEMBLY_TOP "100nF" at 112.285,70.574 h0.25 r180
C3823: PIN_NUMBER "2" at 121.937,68.513 h0.64; PIN_NUMBER "1" at 121.937,68.013 h0.64 r180; ASSEMBLY_TOP "100nF" at 121.81,68.263 h0.25 r270
C3824: PIN_NUMBER "2" at 116.882,72.897 h0.25 r270; PIN_NUMBER "1" at 116.882,74.297 h0.25 r270; ASSEMBLY_TOP "22uF" at 116.704,73.597 h0.25 r270
C3825: PIN_NUMBER "2" at 120.899,62.486 h0.25 r270; PIN_NUMBER "1" at 120.899,63.886 h0.25 r270; ASSEMBLY_TOP "10uF" at 120.721,63.186 h0.25 r270
C3826: PIN_NUMBER "2" at 116.882,64.899 h0.25 r90; PIN_NUMBER "1" at 116.882,63.499 h0.25 r90; ASSEMBLY_TOP "10uF" at 116.704,64.199 h0.25 r270
C3827: PIN_NUMBER "2" at 120.083,76.79 h0.25 r90; PIN_NUMBER "1" at 120.083,75.89 h0.25 r90; ASSEMBLY_TOP "1uF" at 120.006,76.34 h0.25 r270
C3828: PIN_NUMBER "2" at 114.447,64.025 h0.25 r180; PIN_NUMBER "1" at 115.347,64.025 h0.25 r180; ASSEMBLY_TOP "1uF" at 114.694,63.898 h0.25 r180
C3829: PIN_NUMBER "2" at 113.809,77.403 h0.64; PIN_NUMBER "1" at 113.809,76.903 h0.64 r180; ASSEMBLY_TOP "100nF" at 113.682,77.153 h0.25 r270
C3830: PIN_NUMBER "2" at 120.544,74.359 h0.64 r90; PIN_NUMBER "1" at 121.044,74.359 h0.64 r270; ASSEMBLY_TOP "100nF" at 120.54,74.232 h0.25 r180
C3831: PIN_NUMBER "2" at 118.635,64.5 h0.64; PIN_NUMBER "1" at 118.635,63.999 h0.64 r180; ASSEMBLY_TOP "100nF" at 118.508,64.25 h0.25 r270
C3832: PIN_NUMBER "2" at 112.662,74.613 h0.64 r270; PIN_NUMBER "1" at 112.162,74.613 h0.64 r90; ASSEMBLY_TOP "100nF" at 112.158,74.486 h0.25 r180
C3833: PIN_NUMBER "2" at 118.148,62.904 h0.64 r180; PIN_NUMBER "1" at 118.148,63.404 h0.64; ASSEMBLY_TOP "100nF" at 118.022,63.154 h0.25 r270
C3834: PIN_NUMBER "2" at 120.263,67.37 h0.64; PIN_NUMBER "1" at 120.263,66.87 h0.64 r180; ASSEMBLY_TOP "100nF" at 120.136,67.12 h0.25 r270
C3835: PIN_NUMBER "2" at 117.877,75.502 h0.64 r90; PIN_NUMBER "1" at 118.377,75.502 h0.64 r270; ASSEMBLY_TOP "100nF" at 117.873,75.375 h0.25 r180
C3836: PIN_NUMBER "2" at 118.003,64.427 h0.64 r180; PIN_NUMBER "1" at 118.003,64.928 h0.64; ASSEMBLY_TOP "100nF" at 117.876,64.677 h0.25 r270
C3837: PIN_NUMBER "2" at 113.174,62.806 h0.64 r180; PIN_NUMBER "1" at 113.174,63.306 h0.64; ASSEMBLY_TOP "100nF" at 113.047,63.056 h0.25 r270
C3838: PIN_NUMBER "2" at 116.476,75.379 h0.64 r180; PIN_NUMBER "1" at 116.476,75.879 h0.64; ASSEMBLY_TOP "100nF" at 116.349,75.629 h0.25 r270
C3839: PIN_NUMBER "2" at 112.67,65.469 h0.64 r90; PIN_NUMBER "1" at 113.17,65.469 h0.64 r270; ASSEMBLY_TOP "100nF" at 112.666,65.341 h0.25 r180
C3840: PIN_NUMBER "2" at 111.146,65.088 h0.64 r90; PIN_NUMBER "1" at 111.646,65.088 h0.64 r270; ASSEMBLY_TOP "100nF" at 111.142,64.96 h0.25 r180
C3841: PIN_NUMBER "2" at 117.238,75.379 h0.64 r180; PIN_NUMBER "1" at 117.238,75.879 h0.64; ASSEMBLY_TOP "100nF" at 117.111,75.629 h0.25 r270
C3842: PIN_NUMBER "2" at 115.765,73.448 h0.64 r180; PIN_NUMBER "1" at 115.765,73.949 h0.64; ASSEMBLY_TOP "100nF" at 115.638,73.698 h0.25 r270
C3843: PIN_NUMBER "2" at 128.515,71.474 h0.25 r270; PIN_NUMBER "1" at 128.515,72.874 h0.25 r270; ASSEMBLY_TOP "10uF" at 128.338,72.174 h0.25 r270
C3844: PIN_NUMBER "2" at 121.175,66.895 h0.64 r180; PIN_NUMBER "1" at 121.175,67.395 h0.64; ASSEMBLY_TOP "1nF" at 121.251,67.145 h0.25 r270
C3845: PIN_NUMBER "2" at 96.627,42.863 h0.25; PIN_NUMBER "1" at 95.227,42.863 h0.25; ASSEMBLY_TOP "10uF" at 95.622,42.736 h0.25 r180
C3846: PIN_NUMBER "2" at 103.612,43.371 h0.25; PIN_NUMBER "1" at 102.212,43.371 h0.25; ASSEMBLY_TOP "10uF" at 102.607,43.244 h0.25 r180
C3847: PIN_NUMBER "2" at 101.515,54.797 h0.64; PIN_NUMBER "1" at 101.515,54.297 h0.64 r180; ASSEMBLY_TOP "100nF" at 101.388,54.547 h0.25 r270
C3848: PIN_NUMBER "2" at 102.143,44.739 h0.64 r270; PIN_NUMBER "1" at 101.642,44.739 h0.64 r90; ASSEMBLY_TOP "100nF" at 101.639,44.612 h0.25 r180
C3849: PIN_NUMBER "2" at 94.352,47.685 h0.64; PIN_NUMBER "1" at 94.352,47.185 h0.64 r180; ASSEMBLY_TOP "100nF" at 94.225,47.435 h0.25 r270
C3850: PIN_NUMBER "2" at 101.867,47.402 h0.64; PIN_NUMBER "1" at 101.867,46.902 h0.64 r180; ASSEMBLY_TOP "100nF" at 101.74,47.152 h0.25 r270
C3851: PIN_NUMBER "2" at 101.032,50.533 h0.64 r315; PIN_NUMBER "1" at 100.678,50.179 h0.64 r135; ASSEMBLY_TOP "100nF" at 100.601,50.229 h0.25 r180
C3852: PIN_NUMBER "2" at 95.39,50.305 h0.64 r270; PIN_NUMBER "1" at 94.89,50.305 h0.64 r90; ASSEMBLY_TOP "100nF" at 94.886,50.178 h0.25 r180
C3853: PIN_NUMBER "2" at 95.013,54.754 h0.64 r180; PIN_NUMBER "1" at 95.013,55.254 h0.64; ASSEMBLY_TOP "100nF" at 94.886,55.004 h0.25 r270
C3854: PIN_NUMBER "2" at 101.58,49.086 h0.25; PIN_NUMBER "1" at 100.18,49.086 h0.25; ASSEMBLY_TOP "22uF" at 100.575,48.959 h0.25 r180
C3855: PIN_NUMBER "2" at 96.246,49.213 h0.25; PIN_NUMBER "1" at 94.846,49.213 h0.25; ASSEMBLY_TOP "10uF" at 95.241,49.086 h0.25 r180
C3856: PIN_NUMBER "2" at 98.467,46.865 h0.25 r90; PIN_NUMBER "1" at 98.467,45.465 h0.25 r90; ASSEMBLY_TOP "10uF" at 98.289,46.165 h0.25 r270
C3857: PIN_NUMBER "2" at 97.266,48.095 h0.25; PIN_NUMBER "1" at 96.366,48.095 h0.25; ASSEMBLY_TOP "1uF" at 96.613,47.968 h0.25 r180
C3858: PIN_NUMBER "2" at 91.609,47.758 h0.25 r90; PIN_NUMBER "1" at 91.609,46.858 h0.25 r90; ASSEMBLY_TOP "1uF" at 91.533,47.308 h0.25 r270
C3859: PIN_NUMBER "2" at 99.653,43.875 h0.64 r270; PIN_NUMBER "1" at 99.153,43.875 h0.64 r90; ASSEMBLY_TOP "100nF" at 99.149,43.748 h0.25 r180
C3860: PIN_NUMBER "2" at 91.076,50.233 h0.64 r180; PIN_NUMBER "1" at 91.076,50.733 h0.64; ASSEMBLY_TOP "100nF" at 90.949,50.482 h0.25 r270
C3861: PIN_NUMBER "2" at 100.851,48.095 h0.64 r270; PIN_NUMBER "1" at 100.351,48.095 h0.64 r90; ASSEMBLY_TOP "100nF" at 100.347,47.968 h0.25 r180
C3862: PIN_NUMBER "2" at 100.923,43.875 h0.64 r270; PIN_NUMBER "1" at 100.423,43.875 h0.64 r90; ASSEMBLY_TOP "100nF" at 100.419,43.748 h0.25 r180
C3863: PIN_NUMBER "2" at 98.823,52.511 h0.64; PIN_NUMBER "1" at 98.823,52.011 h0.64 r180; ASSEMBLY_TOP "100nF" at 98.696,52.261 h0.25 r270
C3864: PIN_NUMBER "2" at 97.041,50.229 h0.64 r270; PIN_NUMBER "1" at 96.541,50.229 h0.64 r90; ASSEMBLY_TOP "100nF" at 96.537,50.102 h0.25 r180
C3865: PIN_NUMBER "2" at 105.761,52.025 h0.64; PIN_NUMBER "1" at 105.761,51.524 h0.64 r180; ASSEMBLY_TOP "100nF" at 105.634,51.775 h0.25 r270
C3866: PIN_NUMBER "2" at 102.002,50.254 h0.64 r90; PIN_NUMBER "1" at 102.502,50.254 h0.64 r270; ASSEMBLY_TOP "100nF" at 101.998,50.127 h0.25 r180
C3867: PIN_NUMBER "2" at 105.811,46.698 h0.64 r180; PIN_NUMBER "1" at 105.811,47.199 h0.64; ASSEMBLY_TOP "100nF" at 105.684,46.948 h0.25 r270
C3868: PIN_NUMBER "2" at 96.711,43.955 h0.64 r270; PIN_NUMBER "1" at 96.21,43.955 h0.64 r90; ASSEMBLY_TOP "100nF" at 96.207,43.828 h0.25 r180
C3869: PIN_NUMBER "2" at 105.644,48.832 h0.25; PIN_NUMBER "1" at 104.244,48.832 h0.25; ASSEMBLY_TOP "22uF" at 104.639,48.705 h0.25 r180
C3870: PIN_NUMBER "2" at 90.63,45.25 h0.25 r180; PIN_NUMBER "1" at 92.03,45.25 h0.25 r180; ASSEMBLY_TOP "10uF" at 91.025,45.123 h0.25 r180
C3871: PIN_NUMBER "2" at 91.798,49.213 h0.25 r180; PIN_NUMBER "1" at 93.198,49.213 h0.25 r180; ASSEMBLY_TOP "10uF" at 92.193,49.086 h0.25 r180